# Allegro board parallella_gen1.brd (continued)
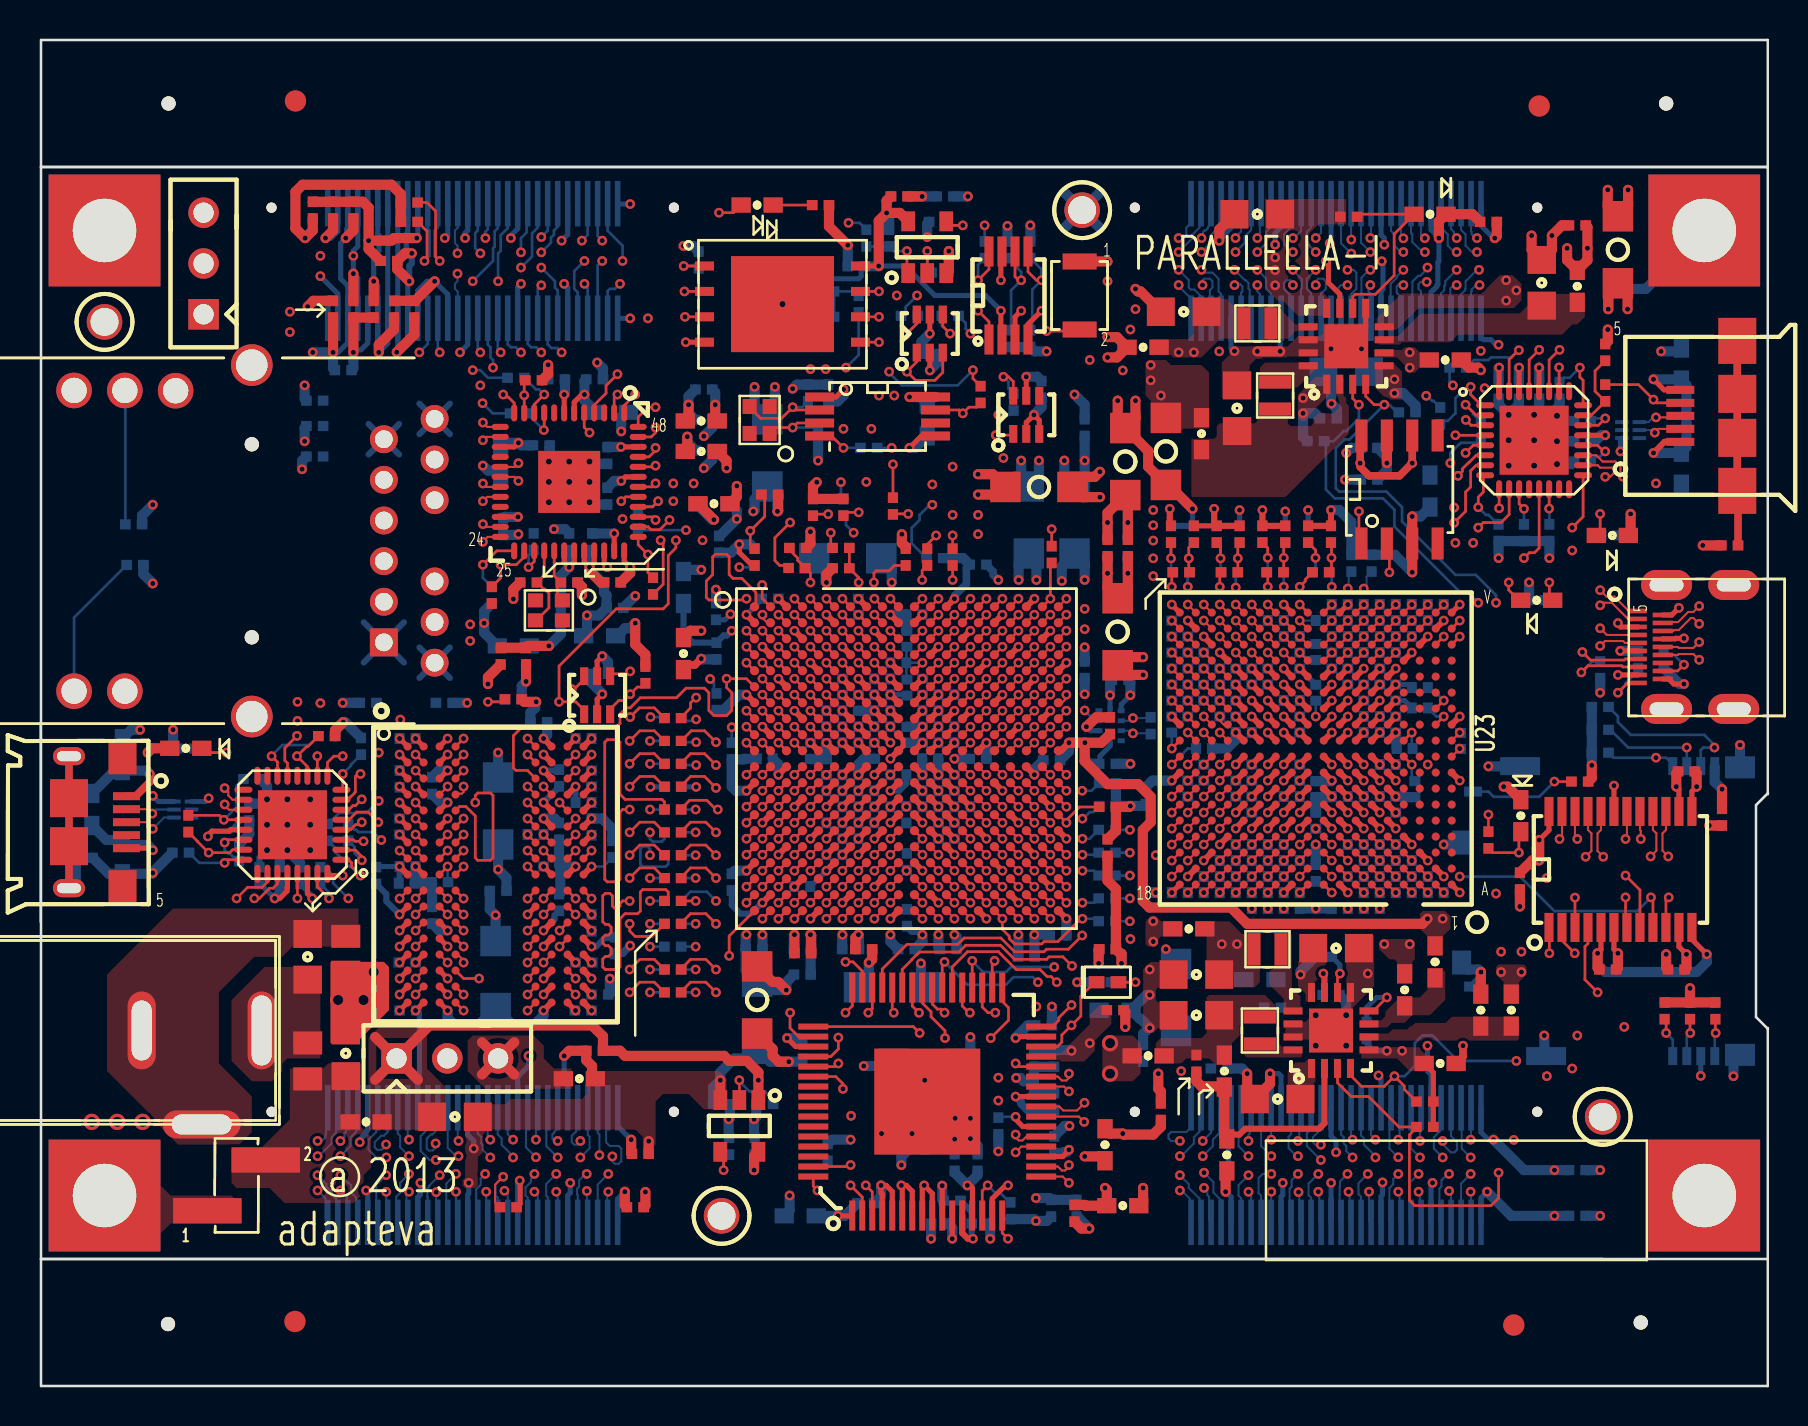
[diagram p0: board, top side]
## Routing (per net, layer and track width the routed paths; a pad name or vN(x,y) marks a point on that pad's centre or on a via; arc(x,y) is an arc through that point) (continued)
TXO_EA_DATA1_P: length 14.9
  TOP w0.102: U23.G16 v1(58.21,29.48) ; U2.L14 v1(46.54,30.57)
  L8_SIG w0.095: v1(58.21,29.48) 57.82,29.09 56.36,29.09 56.05,29.4 56.05,29.7 55.09,30.66 54.41,30.66 53.77,31.29 48.31,31.29 48.06,31.55 46.99,31.55 46.74,31.29 46.74,30.77 v1(46.54,30.57)
TXO_EA_DATA2_N: length 12
  TOP w0.102: U23.E17 v1(57.41,27.88) ; U2.L17 v1(48.94,30.57)
  L5_SIG w0.095: v1(57.41,27.88) 57.67,27.88 57.79,27.99 57.79,28.15 57.67,28.27 56.41,28.27 56.09,28.58 55.9,28.58 54.97,29.51 54.36,29.51 53.84,30.03 53.84,30.21 53.06,30.99 49.36,30.99 v1(48.94,30.57)
TXO_EA_DATA2_P: length 12
  TOP w0.102: U2.L16 v1(48.14,30.57) ; U23.F17 v1(57.41,28.68)
  L5_SIG w0.095: v1(57.41,28.68) 57.02,29.07 56.41,29.07 56.23,28.88 56.03,28.88 55.09,29.82 54.49,29.82 54.15,30.16 54.15,30.34 53.19,31.29 48.86,31.29 v1(48.14,30.57)
TXO_EA_DATA3_N: length 12.9
  TOP w0.102: U23.D18 v1(56.61,27.08) ; U2.M15 v1(47.34,29.77)
  L3_SIG w0.095: v1(47.34,29.77) 47.44,29.87 47.62,29.87 47.93,30.18 51.55,30.18 51.73,30.35 52.17,30.35 54.28,28.24 54.74,28.24 55.41,27.57 56.36,27.57 56.44,27.49 56.87,27.49 57,27.36 57,27.2 56.87,27.08 v1(56.61,27.08)
TXO_EA_DATA3_P: length 13.2
  TOP w0.102: U23.E18 v1(56.61,27.88) ; U2.M14 v1(46.54,29.77)
  L3_SIG w0.095: v1(56.61,27.88) 55.54,27.88 54.87,28.55 54.41,28.55 52.3,30.66 51.8,30.66 51.5,30.96 47.97,30.96 47.73,30.71 47.73,30.41 47.5,30.18 46.94,30.18 v1(46.54,29.77)
TXO_EA_DATA4_N: length 11.5
  TOP w0.102: U23.E15 v1(59.01,27.88) ; U2.L20 v1(51.34,30.57)
  L10_SIG w0.095: v1(51.34,30.57) 51.09,30.82 51.09,31 51.23,31.14 52.73,31.14 53.52,30.36 55.43,30.36 56.22,29.57 56.22,29.31 56.31,29.22 56.31,29.21 56.46,29.07 58.43,29.07 58.62,28.88 58.62,28.51 59.01,28.12 v1(59.01,27.88)
TXO_EA_DATA4_P: length 11.6
  TOP w0.102: U23.F15 v1(59.01,28.68) ; U2.L19 v1(50.54,30.57)
  L10_SIG w0.095: v1(59.01,28.68) 59.01,28.92 58.62,29.31 58.62,29.62 58.37,29.87 56.35,29.87 55.56,30.66 53.64,30.66 52.86,31.45 51.1,31.45 50.78,31.13 50.78,30.82 v1(50.54,30.57)
TXO_EA_DATA5_N: length 10.5
  TOP w0.102: U2.M20 v1(51.34,29.77) ; U23.D16 v1(58.21,27.08)
  L8_SIG w0.095: v1(51.34,29.77) 51.43,29.87 51.65,29.87 51.97,30.18 53.23,30.18 53.9,29.51 54.68,29.51 54.98,29.21 54.98,28.94 55.63,28.3 55.63,27.74 56.18,27.18 56.18,26.88 56.38,26.69 57.61,26.69 57.72,26.79 57.72,26.83 57.93,27.05 58.18,27.05 v1(58.21,27.08)
TXO_EA_DATA5_P: length 11
  TOP w0.102: U2.M19 v1(50.54,29.77) ; U23.E16 v1(58.21,27.88)
  L8_SIG w0.095: v1(50.54,29.77) 50.94,30.17 51.52,30.17 51.84,30.49 53.36,30.49 54.03,29.82 54.8,29.82 55.29,29.34 55.29,29.07 55.93,28.42 55.93,27.86 56.33,27.47 57.57,27.47 v1(58.21,27.88)
TXO_EA_DATA6_N: length 11.9
  TOP w0.102: U2.M18 v1(49.74,29.77) ; U23.C17 v1(57.41,26.28)
  L5_SIG w0.095: v1(49.74,29.77) 49.74,29.55 49.91,29.38 51.66,29.38 51.73,29.45 51.73,29.93 52.03,30.23 52.43,30.23 53.65,29.01 53.65,28.75 54.16,28.24 54.79,28.24 55.25,27.79 55.25,27.36 55.67,26.93 56.15,26.93 56.42,26.67 57.19,26.67 57.41,26.45 v1(57.41,26.28)
TXO_EA_DATA6_P: length 11.9
  TOP w0.102: U2.M17 v1(48.94,29.77) ; U23.D17 v1(57.41,27.08)
  L5_SIG w0.095: v1(57.41,27.08) 57.02,27.47 56.32,27.47 56.1,27.24 55.8,27.24 55.55,27.48 55.55,27.91 54.92,28.55 54.28,28.55 53.95,28.88 53.95,29.13 52.55,30.53 51.9,30.53 51.53,30.16 49.33,30.16 v1(48.94,29.77)
TXO_EA_DATA7_N: length 12.4
  TOP w0.102: U23.B18 v1(56.61,25.48) ; U2.N16 v1(48.14,28.97)
  L3_SIG w0.095: v1(48.14,28.97) 48.08,28.97 47.96,28.84 47.96,28.69 48.08,28.56 51.09,28.56 51.11,28.58 51.62,28.58 51.87,28.83 52.3,28.83 53.24,27.89 53.24,26.75 54.07,25.92 55.04,25.92 55.14,25.82 55.93,25.82 56.03,25.72 56.36,25.72 v1(56.61,25.48)
TXO_EA_DATA7_P: length 12.7
  TOP w0.102: U23.C18 v1(56.61,26.28) ; U2.N15 v1(47.34,28.97)
  L3_SIG w0.095: v1(47.34,28.97) 47.73,29.36 51.64,29.36 51.87,29.13 52.43,29.13 53.55,28.02 53.55,26.87 54.2,26.22 55.17,26.22 55.26,26.13 56.05,26.13 56.15,26.03 56.36,26.03 v1(56.61,26.28)
TXO_EA_FRAME_N: length 11.4
  TOP w0.102: U23.J15 v1(59.01,31.08) ; U2.H20 v1(51.34,33.77)
  L10_SIG w0.095: v1(59.01,31.08) 58.59,31.49 57.55,31.49 56.73,32.31 56.11,32.31 55.68,31.88 54.03,31.88 53.34,32.56 51.19,32.56 50.94,32.81 50.94,33.38 v1(51.34,33.77)
TXO_EA_FRAME_P: length 11.7
  TOP w0.102: U23.K15 v1(59.01,32.68) ; U2.J20 v1(51.34,32.97)
  L10_SIG w0.095: v1(59.01,32.68) 59.24,32.68 59.36,32.55 59.36,32.16 59,31.79 57.67,31.79 56.85,32.61 55.98,32.61 55.55,32.18 54.15,32.18 53.47,32.87 52.89,32.87 52.76,32.99 52.76,33.26 52.63,33.39 52.09,33.39 52.03,33.45 51.73,33.45 51.62,33.34 51.62,33.1 51.49,32.97 v1(51.34,32.97)
TXO_EA_LCLK_N: length 11.2
  TOP w0.102: U2.K18 v1(49.74,32.17) ; U23.F18 v1(56.61,28.68)
  L3_SIG w0.095: v1(56.61,28.68) 56.61,28.88 56.48,29.01 56.31,29.01 56.19,28.88 56.19,28.7 56.06,28.57 55.91,28.57 55.6,28.88 55.6,29.31 54.97,29.95 54.36,29.95 52.63,31.67 49.46,31.67 49.33,31.8 49.33,32.04 49.46,32.17 v1(49.74,32.17)
TXO_EA_LCLK_P: length 12.5
  TOP w0.102: U23.G18 v1(56.61,29.48) ; U2.K17 v1(48.94,32.17)
  L3_SIG w0.095: v1(48.94,32.17) 49.02,32.08 49.02,31.67 49.33,31.37 52.5,31.37 54.23,29.64 54.84,29.64 55.3,29.18 55.3,28.75 55.78,28.27 56.75,28.27 57,28.51 57,29.09 v1(56.61,29.48)
TXO_NO_DATA0_N: length 23.3
  TOP w0.102: U23.D11 v1(62.21,27.08)
  L8_SIG w0.095: v1(62.21,27.08) 62.62,26.67 62.62,23.57 62.28,23.24 62.28,22.73 61.65,22.1 61.65,18.99 61.74,18.9 62.64,18.9 62.92,18.62 62.92,17.99 62.64,17.72 62.47,17.72 62.28,17.53 62.28,14.61 62.03,14.35 61.57,14.35 61.44,14.22 61.44,13.72 62.44,12.72 62.44,10.43 62.55,10.32 62.55,10 62.26,9.72 v1(61.58,9.72)
  BOTTOM w0.102: J8.43 61.57,9.7 v1(61.58,9.72)
TXO_NO_DATA0_P: length 23.4
  TOP w0.102: U23.D12 v1(61.41,27.08)
  L8_SIG w0.095: v1(61.41,27.08) 61.81,26.67 61.81,23.33 61.98,23.17 61.98,22.86 61.34,22.22 61.34,18.87 61.62,18.59 62.52,18.59 62.61,18.5 62.61,18.12 62.52,18.02 62.35,18.02 61.98,17.65 61.98,14.73 61.9,14.66 61.44,14.66 61.14,14.35 61.14,13.59 62.13,12.6 62.13,10.73 62,10.6 v1(61.58,10.6)
  BOTTOM w0.102: J8.45 61.07,9.52 60.95,9.65 60.95,10.4 61.15,10.6 v1(61.58,10.6)
TXO_NO_DATA1_N: length 22.7
  TOP w0.102: U23.C12 v1(61.41,26.28)
  L8_SIG w0.095: v1(61.41,26.28) 61.41,26.54 61.28,26.67 61.14,26.67 61,26.53 61,24.91 61.01,24.89 61.01,23.67 60.71,23.37 60.71,21.77 60.3,21.36 58.98,21.36 58.85,21.23 58.85,19.66 58.98,19.53 60.35,19.53 60.66,19.23 60.66,18.69 60.35,18.39 59.82,18.39 59.69,18.26 59.69,17.66 59.94,17.41 59.94,14.93 60.26,14.6 60.26,13.47 61.14,12.6 61.14,12.09 61.29,11.94 61.46,11.94 61.58,12.07 v1(61.58,12.32)
  BOTTOM w0.102: J8.44 61.57,12.33 v1(61.58,12.32)
TXO_NO_DATA1_P: length 23.1
  TOP w0.102: U23.C13 v1(60.61,26.28)
  L8_SIG w0.095: v1(61.58,11.49) 61.38,11.49 61.24,11.63 61.17,11.63 60.84,11.96 60.84,12.47 59.96,13.35 59.96,14.48 59.63,14.8 59.63,17.29 59.39,17.53 59.39,18.39 59.69,18.69 60.23,18.69 60.35,18.82 60.35,19.1 60.23,19.23 58.85,19.23 58.55,19.53 58.55,21.36 58.85,21.67 60.17,21.67 60.4,21.89 60.4,23.5 60.22,23.68 60.22,25.89 v1(60.61,26.28)
  BOTTOM w0.102: J8.46 61.07,12.01 v1(61.58,11.49)
TXO_NO_DATA2_N: length 23.1
  TOP w0.102: U23.B13 v1(60.61,25.48)
  L5_SIG w0.095: v1(60.61,25.48) 61,25.09 61,23.59 60.78,23.37 60.78,21.48 60.38,21.08 58.9,21.08 58.65,20.83 58.65,19.63 59.24,19.05 59.87,19.05 60.17,18.74 60.17,16.26 59.87,15.95 59.62,15.95 59.46,15.8 59.46,13.11 59.62,12.95 60.89,12.95 61.19,12.65 61.19,10.46 v1(60.45,9.71)
  BOTTOM w0.102: v1(60.45,9.71) 60.57,9.58 J8.47
TXO_NO_DATA2_P: length 23.5
  TOP w0.102: U23.B14 v1(59.81,25.48)
  L5_SIG w0.095: v1(59.81,25.48) 59.81,25.46 60.2,25.07 60.2,23.64 60.47,23.37 60.47,21.61 60.25,21.39 58.78,21.39 58.35,20.95 58.35,19.51 59.11,18.75 59.74,18.75 59.87,18.62 59.87,16.38 59.74,16.26 59.49,16.26 59.16,15.93 59.16,12.98 59.49,12.65 60.76,12.65 60.89,12.52 60.89,10.82 60.53,10.46 60.41,10.46 60.41,10.51 60.44,10.54 v1(60.44,10.54)
  BOTTOM w0.102: J8.49 60.07,9.4 59.95,9.53 59.95,10.05 v1(60.44,10.54)
TXO_NO_DATA3_N: length 23.3
  TOP w0.102: U23.A14 v1(59.81,24.68)
  L3_SIG w0.095: v1(59.81,24.68) 59.81,24.9 59.56,25.15 59.49,25.15 59.4,25.05 59.4,24.51 59.31,24.43 59.31,23.01 58.6,22.3 58.6,21.6 58.7,21.5 59.45,21.5 59.74,21.21 59.74,20.57 59.49,20.32 59.09,20.32 59.09,20.32 58.7,20.32 58.6,20.22 58.6,18.59 58.73,18.47 60.33,18.47 60.63,18.16 60.63,17.35 59.92,16.64 59.92,15.06 60,14.99 60,14.18 59.72,13.91 58.75,13.91 58.65,13.81 58.65,13.43 58.75,13.34 59.72,13.34 60,13.06 60,12.07 60.12,11.94 60.31,11.94 60.44,12.07 v1(60.44,12.26)
  BOTTOM w0.102: J8.48 60.51,13.85 60.51,12.64 60.44,12.57 v1(60.44,12.26)
TXO_NO_DATA3_P: length 23.5
  TOP w0.102: U23.A15 v1(59.01,24.68)
  L3_SIG w0.095: v1(60.44,11.49) 60.07,11.49 59.69,11.87 59.69,12.94 59.6,13.03 58.62,13.03 58.35,13.31 58.35,13.94 58.62,14.21 59.6,14.21 59.69,14.31 59.69,14.86 59.62,14.94 59.62,16.76 60.33,17.47 60.33,18.03 60.2,18.16 58.6,18.16 58.3,18.47 58.3,20.35 58.57,20.62 58.77,20.62 59.36,20.62 59.44,20.7 59.44,21.08 59.33,21.2 58.57,21.2 58.3,21.47 58.3,22.43 59.01,23.14 v1(59.01,24.68)
  BOTTOM w0.102: J8.50 60.07,12.65 59.95,12.52 59.95,11.99 v1(60.44,11.49)
TXO_NO_DATA4_N: length 24.2
  TOP w0.102: U23.D13 v1(60.61,27.08)
  L8_SIG w0.095: v1(58.22,10.67) 58.22,10.46 58.09,10.34 57.84,10.34 57.71,10.46 57.71,12.55 56.69,13.57 56.69,16.27 56.25,16.7 56.25,17.84 57.08,18.67 57.08,22.1 57.48,22.5 57.48,24.2 57.8,24.51 57.8,25.62 58.04,25.87 58.35,25.87 58.6,26.11 58.6,26.44 58.83,26.67 60.2,26.67 v1(60.61,27.08)
  BOTTOM w0.102: v1(58.22,10.67) 58.69,10.2 58.69,9.68 59.07,9.29 J8.53
TXO_NO_DATA4_P: length 24
  TOP w0.102: U23.D14 v1(59.81,27.08)
  L8_SIG w0.095: v1(59.81,27.08) 59.56,27.08 59.17,27.47 58.84,27.47 58.62,27.24 58.62,26.91 58.37,26.67 58.04,26.67 57.82,26.44 57.82,26.13 57.57,25.89 57.26,25.89 57,25.62 57,24.44 57.18,24.26 57.18,22.63 56.77,22.22 56.77,18.8 55.94,17.97 55.94,16.58 56.38,16.14 56.38,13.45 57.41,12.42 57.41,10.34 57.71,10.03 58.09,10.03 v1(58.22,9.91)
  BOTTOM w0.102: v1(58.22,9.91) 58.38,9.74 58.38,9.55 58.47,9.46 58.47,8.28 J8.55
TXO_NO_DATA5_N: length 24.3
  TOP w0.102: U23.C14 v1(59.81,26.28)
  L8_SIG w0.095: v1(59.81,26.28) 59.81,26.05 59.42,25.66 59.42,22.91 58.98,22.48 58.47,22.48 57.89,21.9 57.89,17.79 57.62,17.51 57.15,17.51 57.05,17.42 57.05,17.04 57.15,16.94 58.77,16.94 59.11,16.6 59.11,15.75 58.85,15.49 58.02,15.49 57.89,15.37 57.89,15.04 58.02,14.91 58.93,14.91 59.24,14.61 59.24,14.1 58.98,13.84 58.88,13.84 58.72,13.68 58.72,12.06 v1(58.16,11.49)
  BOTTOM w0.102: J8.54 58.98,13.82 58.98,12.65 58.66,12.33 58.66,12 v1(58.16,11.49)
TXO_NO_DATA5_P: length 23.8
  TOP w0.102: U23.C15 v1(59.01,26.28)
  L8_SIG w0.095: v1(58.16,12.26) 58.07,12.34 58.07,12.88 58.17,12.98 58.3,12.98 58.41,13.1 58.41,13.81 58.75,14.15 58.85,14.15 58.93,14.22 58.93,14.48 58.8,14.6 57.89,14.6 57.58,14.91 57.58,15.49 57.89,15.8 58.73,15.8 58.8,15.87 58.8,16.48 58.64,16.64 57.02,16.64 56.75,16.91 56.75,17.54 57.02,17.82 57.49,17.82 57.58,17.91 57.58,22.02 58.35,22.78 58.85,22.78 59.11,23.04 59.11,24.12 59.01,24.22 58.74,24.22 58.62,24.34 58.62,25.78 58.72,25.88 59.19,25.88 59.38,26.07 59.38,26.24 59.26,26.36 59.09,26.36 v1(59.01,26.28)
  BOTTOM w0.102: J8.56 58.57,12.67 v1(58.16,12.26)
TXO_NO_DATA6_N: length 23.7
  TOP w0.102: U23.B15 v1(59.01,25.48)
  L5_SIG w0.095: v1(59.01,25.48) 59.4,25.09 59.4,24.46 59.13,24.19 59.13,23.52 57.76,22.15 57.76,19.43 57.46,19.13 56.95,19.13 56.87,19.05 56.87,18.67 56.95,18.59 57.46,18.59 57.97,18.08 57.97,16.89 57.53,16.46 56.82,16.46 56.63,16.27 56.63,14.85 56.95,14.53 57.46,14.53 57.76,14.22 57.76,13.77 56.36,12.37 56.36,10.57 56.58,10.35 56.82,10.35 v1(57.01,10.54)
  BOTTOM w0.102: J8.57 57.99,8.27 57.99,9.37 57.46,9.91 57.46,10.1 v1(57.01,10.54)
TXO_NO_DATA6_P: length 23.3
  TOP w0.102: U23.B16 v1(58.21,25.48)
  L5_SIG w0.095: v1(58.21,25.48) 58.6,25.09 58.6,24.43 58.83,24.19 58.83,23.65 57.46,22.28 57.46,19.56 57.33,19.43 56.82,19.43 56.57,19.18 56.57,18.54 56.82,18.29 57.33,18.29 57.66,17.96 57.66,17.02 57.41,16.76 56.7,16.76 56.32,16.39 56.32,14.72 56.82,14.22 57.33,14.22 57.46,14.1 57.46,13.89 56.06,12.5 56.06,10.44 56.45,10.05 56.81,10.05 57.01,9.84 v1(57.01,9.78)
  BOTTOM w0.102: v1(57.01,9.78) 57.1,9.78 57.15,9.73 57.51,9.37 57.51,8.25 J8.59
TXO_NO_DATA7_N: length 24
  TOP w0.102: U23.A16 v1(58.21,24.68)
  L3_SIG w0.095: v1(58.21,24.68) 58.21,24.65 57.96,24.4 57.96,23.05 57.76,22.85 57.76,19.53 57.49,19.25 56.59,19.25 56.49,19.16 56.49,18.78 56.59,18.68 57.58,18.68 57.89,18.38 57.89,17.48 57.58,17.18 56.44,17.18 56.31,17.05 56.31,16.76 56.44,16.64 57.58,16.64 58.02,16.21 58.02,14.72 57.71,14.41 56.85,14.41 56.76,14.32 56.76,13.93 56.85,13.84 57.49,13.84 57.76,13.57 57.76,11.99 57.27,11.49 v1(57.01,11.49)
  BOTTOM w0.102: v1(57.01,11.49) 57.08,11.49 57.71,12.13 57.71,12.44 57.99,12.72 57.99,13.83 J8.58
TXO_NO_DATA7_P: length 23.9
  TOP w0.102: U23.A17 v1(57.41,24.68)
  L3_SIG w0.095: v1(57.41,24.68) 57.41,24.66 57.65,24.42 57.65,23.18 57.46,22.98 57.46,19.65 57.36,19.56 56.46,19.56 56.19,19.29 56.19,18.65 56.46,18.38 57.46,18.38 57.58,18.25 57.58,17.61 57.46,17.48 56.31,17.48 56.01,17.18 56.01,16.64 56.31,16.33 57.46,16.33 57.71,16.08 57.71,14.84 57.58,14.72 56.72,14.72 56.45,14.44 56.45,13.81 56.72,13.53 57.36,13.53 57.46,13.44 57.46,12.12 57.28,11.94 57.14,11.94 57.01,12.07 v1(57.01,12.26)
  BOTTOM w0.102: J8.60 57.57,12.94 57.33,12.7 56.57,12.7 56.44,12.57 56.44,12.38 56.57,12.26 v1(57.01,12.26)
TXO_NO_FRAME_N: length 21.9
  TOP w0.102: U23.D9 v1(64.61,27.08)
  L8_SIG w0.095: v1(64.61,27.08) 64.32,27.08 64.2,26.96 64.2,26.04 63.71,25.55 63.71,24.33 63.42,24.04 63.42,24.04 63.38,23.99 63.38,22.43 63.78,22.02 63.78,19.94 64.81,18.91 64.81,12.34 65.21,11.94 65.21,11.39 65,11.18 65,10.03 64.68,9.72 v1(63.93,9.72)
  BOTTOM w0.102: J8.33 63.98,8.27 63.98,9.66 v1(63.93,9.72)
TXO_NO_FRAME_P: length 21.9
  TOP w0.102: U23.D10 v1(63.01,27.08)
  L8_SIG w0.095: v1(63.01,27.08) 63.24,27.3 63.3,27.3 63.42,27.19 63.42,25.69 63.4,25.68 63.4,24.45 63.11,24.16 63.11,24.16 63.07,24.12 63.07,23.87 63.07,22.3 63.48,21.9 63.48,19.81 64.51,18.78 64.51,11.92 64.43,11.85 64.43,11.44 64.7,11.18 64.7,10.73 64.57,10.6 v1(63.93,10.6)
  BOTTOM w0.102: J8.35 63.57,9.41 63.45,9.54 63.45,10.12 v1(63.93,10.6)
TXO_NO_LCLK_N: length 22.9
  TOP w0.102: U23.A12 v1(61.41,24.68)
  L3_SIG w0.095: v1(61.41,24.68) 61.18,24.68 61.02,24.51 61.02,23.5 60.89,23.37 60.89,22.91 61.39,22.4 62.92,22.4 63.3,22.02 63.3,21.46 62.92,21.08 61.14,21.08 60.89,20.83 60.89,19.61 61.14,19.35 61.39,19.35 61.65,19.1 61.65,17.66 62.41,16.89 62.41,13.94 63.61,12.74 63.61,10.87 63.51,10.77 63.51,10.26 v1(62.94,9.69)
  BOTTOM w0.102: J8.37 62.98,8.28 62.98,9.65 62.94,9.69 v1(62.94,9.69)
TXO_NO_LCLK_P: length 22.9
  TOP w0.102: U23.A13 v1(60.61,24.68)
  L3_SIG w0.095: v1(62.92,10.6) 63.31,11 63.31,12.61 62.11,13.82 62.11,16.76 61.34,17.53 61.34,18.98 61.27,19.05 61.01,19.05 60.58,19.48 60.58,20.95 61.01,21.39 62.79,21.39 62.99,21.59 62.99,21.89 62.79,22.1 61.27,22.1 60.58,22.78 60.58,23.29 60.22,23.66 60.22,24.29 v1(60.61,24.68)
  BOTTOM w0.102: v1(62.92,10.6) 62.6,10.29 62.6,9.98 62.5,9.88 62.5,8.26 J8.39
TXO_SO_DATA0_N: length 24.1
  TOP w0.102: U23.R12 v1(61.41,36.68)
  L10_SIG w0.095: v1(61.41,36.68) 61.02,37.07 61.02,40.19 61.28,40.45 61.28,40.87 61.02,41.13 61.02,41.64 61.28,41.9 61.28,42.53 61.59,42.84 61.59,50.79 61.28,51.11 61.28,52.57 60.13,53.71 60.13,55.37 60.58,55.82 v1(60.89,55.82)
  BOTTOM w0.102: J9.43 61.57,54.62 61.33,54.86 61.33,55.37 v1(60.89,55.82)
TXO_SO_DATA0_P: length 23.6
  TOP w0.102: U23.R11 v1(62.21,36.68)
  L10_SIG w0.095: v1(62.21,36.68) 62.21,36.43 62.07,36.3 61.93,36.3 61.8,36.43 61.8,40.16 61.58,40.38 61.58,41.01 61.8,41.22 61.8,41.68 61.58,41.9 61.58,42.41 61.89,42.72 61.89,50.92 61.58,51.23 61.58,52.7 60.44,53.84 60.44,55.24 60.57,55.37 60.76,55.37 60.89,55.24 v1(60.89,55.05)
  BOTTOM w0.102: J9.45 61.01,53.46 61.01,54.61 60.89,54.74 v1(60.89,55.05)
TXO_SO_DATA1_N: length 24.4
  TOP w0.102: U23.T13 v1(60.61,37.48)
  L8_SIG w0.095: v1(60.61,37.48) 60.72,37.36 60.89,37.36 61.01,37.49 61.01,39.44 61.02,39.44 61.02,40.13 61.22,40.33 61.22,41.05 61.02,41.25 61.02,41.58 61.22,41.78 61.22,42.6 61.59,42.97 61.59,50.66 61.27,50.98 61.27,51.57 61.28,51.58 61.28,51.9 61.27,51.91 61.27,53.21 60.19,54.29 60.19,56.25 60.64,56.71 v1(60.89,56.71)
  BOTTOM w0.102: v1(60.89,56.71) 61.33,57.15 61.33,57.72 61.52,57.91 61.52,59.07 J9.44
TXO_SO_DATA1_P: length 24.4
  TOP w0.102: U23.T12 v1(61.41,37.48)
  L8_SIG w0.095: v1(61.41,37.48) 61.8,37.87 61.8,40.13 61.52,40.4 61.52,40.98 61.8,41.25 61.8,41.58 61.52,41.85 61.52,42.47 61.89,42.84 61.89,50.78 61.57,51.1 61.57,51.44 61.58,51.45 61.58,52.03 61.57,52.04 61.57,53.34 60.5,54.42 60.5,56.12 60.66,56.29 61.11,56.29 61.39,56.57 61.39,56.9 v1(60.89,57.4)
  BOTTOM w0.102: J9.46 61.01,59.07 61.01,57.66 60.89,57.53 v1(60.89,57.4)
TXO_SO_DATA2_N: length 25.4
  TOP w0.102: U23.U14 v1(59.81,38.28)
  L8_SIG w0.095: v1(59.81,38.28) 59.42,38.67 59.42,39.77 59.42,40.09 59.69,40.37 59.69,41.05 59.52,41.23 59.52,41.55 59.82,41.85 59.82,42.4 60.39,42.98 60.39,44.25 60.3,44.35 59.92,44.35 59.64,44.62 59.64,45.26 59.92,45.53 60.3,45.53 60.39,45.62 60.39,46 60.3,46.1 59.92,46.1 59.64,46.37 59.64,47.01 59.92,47.28 60.3,47.28 60.39,47.38 60.39,49.05 60.3,49.15 59.97,49.15 59.69,49.42 59.69,50.06 59.97,50.33 60.3,50.33 60.39,50.43 60.39,51.05 60.19,51.26 60.19,51.99 59.25,52.93 59.25,55.31 59.55,55.61 59.55,55.63 v1(59.74,55.82)
  BOTTOM w0.102: v1(59.74,55.82) 60.27,55.29 60.32,55.29 60.44,55.17 60.44,54.87 60.51,54.81 60.51,53.46 J9.47
TXO_SO_DATA2_P: length 24.9
  TOP w0.102: U23.U13 v1(60.61,38.28)
  L8_SIG w0.095: v1(59.74,55.05) 59.68,55.05 59.55,54.93 59.55,53.06 60.49,52.12 60.49,51.38 60.7,51.18 60.7,50.3 60.42,50.03 60.09,50.03 60,49.93 60,49.55 60.09,49.45 60.42,49.45 60.7,49.18 60.7,47.25 60.42,46.98 60.04,46.98 59.95,46.88 59.95,46.5 60.04,46.41 60.42,46.41 60.7,46.13 60.7,45.5 60.42,45.22 60.04,45.22 59.95,45.13 59.95,44.75 60.04,44.65 60.42,44.65 60.7,44.38 60.7,42.85 60.12,42.28 60.12,41.73 60.3,41.55 60.3,41.23 60,40.93 60,40.29 60.36,39.93 60.36,39.5 60.2,39.33 60.2,38.02 60.32,37.9 60.58,37.9 60.71,38.02 60.71,38.18 v1(60.61,38.28)
  BOTTOM w0.102: v1(59.74,55.05) 59.81,55.12 60.01,55.12 60.14,54.99 60.14,54.73 60.07,54.67 J9.49
TXO_SO_DATA3_N: length 24.6
  TOP w0.102: U23.V15 v1(59.01,39.08)
  L3_SIG w0.095: v1(59.79,56.71) 60.06,56.71 60.19,56.58 60.19,54.57 60.09,54.48 59.01,54.48 58.7,54.17 58.7,53.6 59.01,53.3 60.09,53.3 60.19,53.2 60.19,51.32 59.17,50.3 59.17,43.48 58.92,43.23 58.92,41.9 58.6,41.58 58.6,39.48 v1(59.01,39.08)
  BOTTOM w0.102: J9.48 60.57,57.8 60.25,57.48 60.25,57.16 v1(59.79,56.71)
TXO_SO_DATA3_P: length 24.5
  TOP w0.102: U23.V14 v1(59.81,39.08)
  L3_SIG w0.095: v1(59.81,39.08) 59.42,39.47 59.42,41.21 59.44,41.23 59.44,41.68 59.22,41.9 59.22,43.1 59.48,43.36 59.48,50.18 60.49,51.19 60.49,53.33 60.22,53.6 59.13,53.6 59.01,53.73 59.01,54.05 59.13,54.17 60.22,54.17 60.49,54.45 60.49,56.7 60.25,56.94 60.25,57.27 60.12,57.4 v1(59.79,57.4)
  BOTTOM w0.102: v1(59.79,57.4) 59.95,57.56 59.95,57.61 60.07,57.73 J9.50
TXO_SO_DATA4_N: length 24.7
  TOP w0.102: U23.R14 v1(59.81,36.68)
  L10_SIG w0.095: v1(58.09,55.82) 57.95,55.68 57.65,55.68 57.34,55.37 57.34,54.35 58.29,53.4 58.29,51.37 59.18,50.47 59.18,42.98 59.69,42.47 59.69,41.73 59.52,41.55 59.52,41.23 59.69,41.05 59.69,40.39 59.42,40.11 59.42,37.07 v1(59.81,36.68)
  BOTTOM w0.102: v1(58.09,55.82) 58.23,55.68 58.64,55.68 58.95,55.37 58.95,54.74 59.07,54.61 J9.53
TXO_SO_DATA4_P: length 24.7
  TOP w0.102: U23.R13 v1(60.61,36.68)
  L10_SIG w0.095: v1(58.14,55.05) 58.14,55.19 57.97,55.37 57.77,55.37 57.64,55.24 57.64,54.47 58.59,53.53 58.59,51.5 59.49,50.6 59.49,43.1 60,42.6 60,41.85 60.3,41.55 60.3,41.23 60,40.93 60,40.38 60.2,40.18 60.2,39.77 60.2,39.77 60.2,36.57 60.32,36.45 60.49,36.45 60.61,36.57 v1(60.61,36.68)
  BOTTOM w0.102: J9.55 58.51,53.46 58.51,54.8 58.64,54.93 58.64,55.24 58.51,55.37 58.22,55.37 58.14,55.3 v1(58.14,55.05)
TXO_SO_DATA5_N: length 24
  TOP w0.102: U23.T15 v1(59.01,37.48)
  L8_SIG w0.095: v1(59.01,37.48) 58.9,37.58 58.72,37.58 58.57,37.74 58.4,37.9 58.39,37.89 58.04,37.89 57.82,38.12 57.82,39.65 57.85,39.68 57.85,42.4 58.03,42.59 58.03,49.08 58.29,49.33 58.29,54.52 58.54,54.77 58.54,55.37 58.54,56.31 58.23,56.62 58.18,56.62 v1(58.09,56.71)
  BOTTOM w0.102: v1(58.09,56.71) 58.54,57.15 58.54,57.52 59.07,58.06 J9.54
TXO_SO_DATA5_P: length 24.1
  TOP w0.102: U23.T14 v1(59.81,37.48)
  L8_SIG w0.095: v1(58.09,57.4) 58.14,57.4 58.48,57.06 58.48,56.8 58.84,56.44 58.84,55.25 58.84,54.65 58.59,54.4 58.59,49.2 58.34,48.95 58.34,42.46 58.15,42.28 58.15,39.8 58.6,39.36 58.6,38.13 58.84,37.89 59.4,37.89 v1(59.81,37.48)
  BOTTOM w0.102: J9.56 58.47,59.03 58.47,58.02 58.42,57.96 58.42,57.9 58.3,57.79 58.24,57.79 58.17,57.71 58.17,57.48 v1(58.09,57.4)
TXO_SO_DATA6_N: length 25.2
  TOP w0.102: U23.U16 v1(58.21,38.28)
  L3_SIG w0.095: v1(56.95,55.82) 56.76,56.01 56.19,56.01 55.88,55.7 55.88,54.79 56.06,54.61 56.06,51.18 56.45,50.79 56.45,44.59 56.95,44.1 56.95,43.21 56.38,42.65 56.38,41.9 56.12,41.64 56.12,38.98 56.41,38.69 56.75,38.69 57,38.44 57,38.13 57.24,37.89 57.83,37.89 58.21,38.27 v1(58.21,38.28)
  BOTTOM w0.102: v1(56.95,55.82) 57.46,55.31 57.46,54.93 57.55,54.83 57.74,54.83 58.07,54.5 J9.57
TXO_SO_DATA6_P: length 25.1
  TOP w0.102: U23.U15 v1(59.01,38.28)
  L3_SIG w0.095: v1(59.01,38.28) 59.3,38.28 59.43,38.4 59.43,38.56 59.3,38.69 57.24,38.69 57,38.93 57,40.21 56.82,40.39 56.61,40.39 56.43,40.57 56.43,40.75 56.57,40.89 56.76,40.89 57,41.13 57,41.58 56.68,41.89 56.68,42.52 57.25,43.09 57.25,44.22 56.76,44.72 56.76,50.92 56.37,51.31 56.37,54.74 56.19,54.91 56.19,55.58 56.31,55.7 56.51,55.7 56.79,55.43 56.82,55.43 56.95,55.3 v1(56.95,55.05)
  BOTTOM w0.102: v1(56.95,55.05) 56.95,55 57.57,54.38 J9.59
TXO_SO_DATA7_N: length 24.7
  TOP w0.102: U23.V17 v1(57.41,39.08)
  L3_SIG w0.095: v1(57.41,39.08) 57.62,39.29 57.62,39.59 57.91,39.88 57.91,43.1 58.03,43.22 58.03,45.17 57.94,45.27 57.65,45.27 57.38,45.54 57.38,46.18 57.65,46.45 57.94,46.45 58.03,46.54 58.03,46.92 57.94,47.02 57.65,47.02 57.38,47.29 57.38,47.93 57.65,48.2 57.94,48.2 58.03,48.3 58.03,48.68 57.94,48.77 57.65,48.77 57.38,49.05 57.38,49.68 57.65,49.95 57.94,49.95 58.23,50.25 58.23,52.01 57.4,52.84 57.4,56.58 57.27,56.71 v1(56.95,56.71)
  BOTTOM w0.102: J9.58 57.99,59.04 57.99,57.93 57.63,57.58 57.63,57.39 v1(56.95,56.71)
TXO_SO_DATA7_P: length 24.6
  TOP w0.102: U23.V16 v1(58.21,39.08)
  L3_SIG w0.095: v1(58.21,39.08) 58.03,39.26 58.03,39.56 58.22,39.75 58.22,42.98 58.34,43.09 58.34,45.3 58.06,45.57 57.78,45.57 57.69,45.67 57.69,46.05 57.78,46.14 58.06,46.14 58.34,46.42 58.34,47.05 58.06,47.33 57.78,47.33 57.69,47.42 57.69,47.8 57.78,47.9 58.06,47.9 58.34,48.17 58.34,48.8 58.06,49.08 57.78,49.08 57.69,49.17 57.69,49.55 57.78,49.65 58.06,49.65 58.54,50.12 58.54,52.13 57.7,52.97 57.7,56.7 57.4,57.01 57.34,57.01 v1(56.95,57.4)
  BOTTOM w0.102: v1(56.95,57.4) 57.22,57.4 57.33,57.52 57.33,57.92 57.57,58.17 J9.60
TXO_SO_FRAME_N: length 26.4
  TOP w0.102: U23.R10 v1(63.01,36.68)
  L10_SIG w0.095: v1(63.01,36.68) 63.43,37.1 63.43,40.31 62.73,41.01 62.73,47.14 63.65,48.06 63.65,52.56 63.56,52.65 63.19,52.65 62.92,52.93 62.92,53.56 63.19,53.83 63.56,53.83 63.65,53.93 63.65,54.52 63.05,55.12 63.05,55.51 63.17,55.63 63.43,55.63 63.55,55.5 63.55,55.31 v1(63.81,55.05)
  BOTTOM w0.102: v1(63.01,36.68) 63.07,36.68 63.3,36.45 63.66,36.45 R236.2 ; J9.33 64.07,54.62 64.32,54.86 64.32,55.24 64.19,55.37 63.93,55.37 63.81,55.24 v1(63.81,55.05)
TXO_SO_FRAME_P: length 26.4
  TOP w0.102: U23.R9 v1(64.61,36.68)
  L10_SIG w0.095: v1(63.81,55.82) 63.81,55.8 64.2,55.41 64.2,54.8 63.96,54.56 63.96,53.8 63.69,53.53 63.32,53.53 63.22,53.43 63.22,53.05 63.32,52.96 63.69,52.96 63.96,52.68 63.96,47.94 63.03,47.01 63.03,41.13 63.73,40.44 63.73,36.78 64.06,36.45 64.48,36.45 64.61,36.58 v1(64.61,36.68)
  BOTTOM w0.102: v1(64.61,36.68) 64.33,36.96 63.95,36.96 R236.1 ; J9.35 63.57,54.66 63.36,54.87 63.36,55.37 v1(63.81,55.82)
TXO_SO_LCLK_N: length 25.3
  TOP w0.102: U23.V13 v1(60.61,39.08)
  L3_SIG w0.095: v1(62.66,55.82) 62.22,55.37 62.22,54.72 61.33,53.84 61.33,49.75 61.24,49.66 60.68,49.66 60.4,49.38 60.4,48.75 60.68,48.48 61.24,48.48 61.33,48.38 61.33,48 61.24,47.91 60.68,47.91 60.4,47.63 60.4,47 60.68,46.72 61.24,46.72 61.33,46.63 61.33,46.25 61.24,46.15 60.68,46.15 60.4,45.88 60.4,45.25 60.68,44.97 61.24,44.97 61.33,44.88 61.33,44.25 61.59,43.99 61.59,43.42 61.22,43.05 61.22,42.47 60.63,41.88 60.63,39.1 v1(60.61,39.08)
  BOTTOM w0.102: v1(62.66,55.82) 62.66,55.8 63.11,55.36 63.11,54.87 63.07,54.83 J9.37
TXO_SO_LCLK_P: length 25.5
  TOP w0.102: U23.V12 v1(61.41,39.08)
  L3_SIG w0.095: v1(61.41,39.08) 61.41,38.79 61.28,38.66 61.12,38.66 61,38.79 61,39.24 60.94,39.3 60.94,41.76 61.52,42.34 61.52,42.93 61.89,43.3 61.89,44.12 61.64,44.37 61.64,45 61.36,45.28 60.8,45.28 60.71,45.37 60.71,45.75 60.8,45.85 61.36,45.85 61.64,46.12 61.64,46.76 61.36,47.03 60.8,47.03 60.71,47.12 60.71,47.51 60.8,47.6 61.36,47.6 61.64,47.87 61.64,48.51 61.36,48.78 60.8,48.78 60.71,48.88 60.71,49.26 60.8,49.35 61.36,49.35 61.64,49.63 61.64,53.71 62.52,54.6 62.52,54.91 v1(62.66,55.05)